# KiCad board DIP8breakout+potToUSB.kicad_pcb (continued)
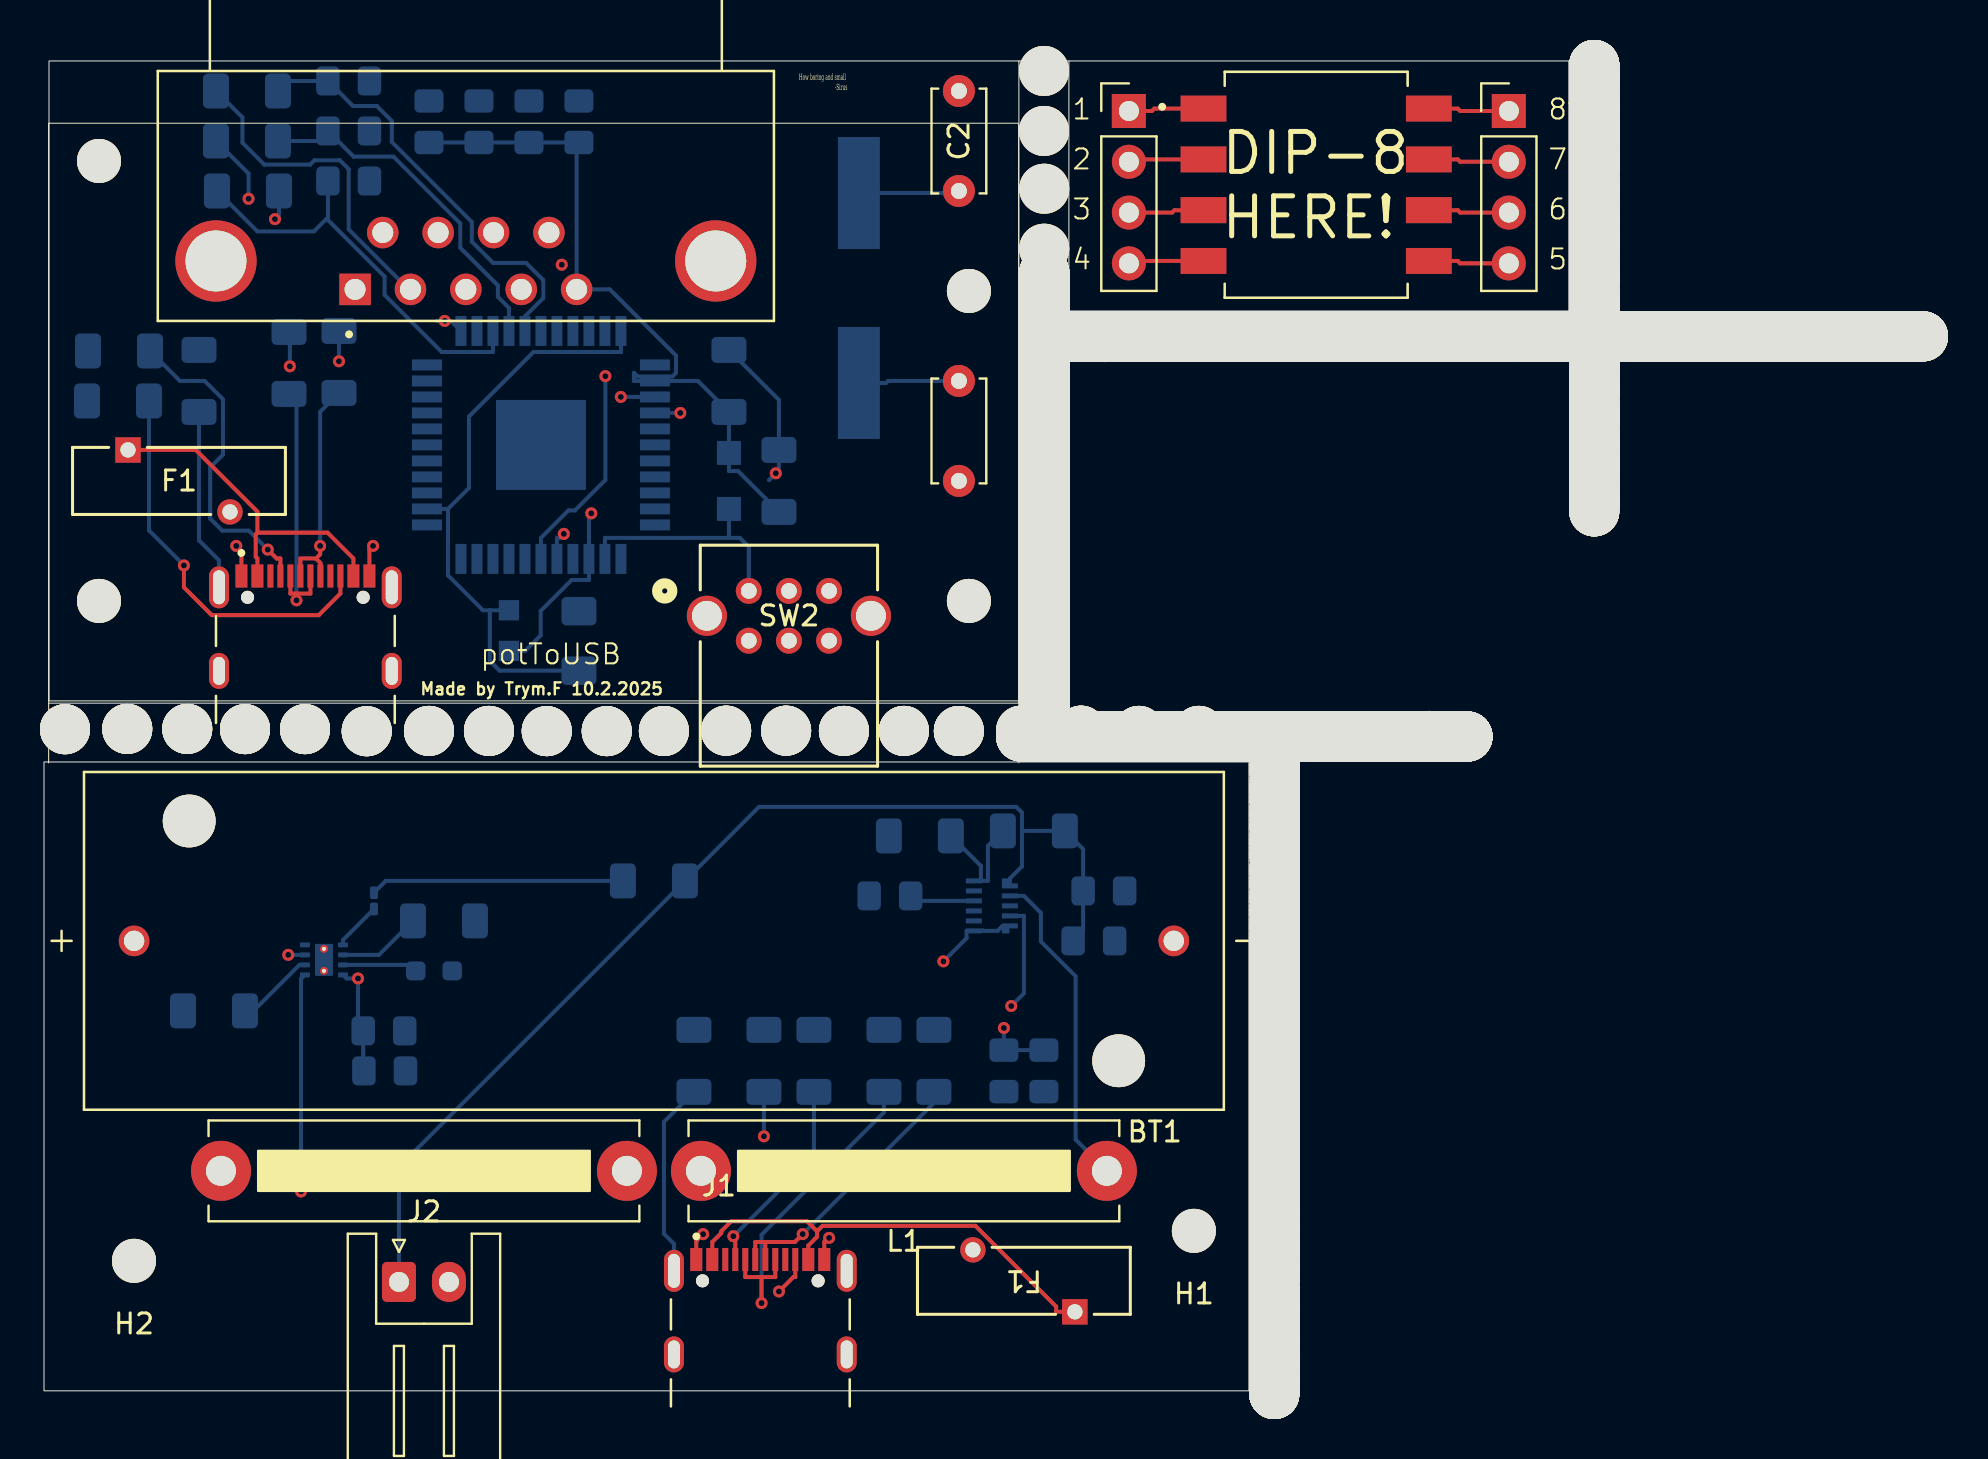
[diagram p0: board, top side]
## Placement (name value [footprint] x y rotation side) (continued)
NOREF#525  -  [unnamed]  61.52 3.86 270 top
NOREF#526  -  [unnamed]  61.55 11.67 90 top
NOREF#527  -  [unnamed]  60.72 32.72 0 top
NOREF#528  -  [unnamed]  50.02 48.67 90 top
NOREF#529  -  [unnamed]  77.52 44.84 90 top
NOREF#530  -  [unnamed]  77.48 52.73 180 top
NOREF#531  -  [unnamed]  61.52 5.06 270 top
NOREF#532  -  [unnamed]  61.55 13.43 90 top
NOREF#533  -  [unnamed]  61.52 5.26 270 top
NOREF#534  -  [unnamed]  49.06 32.72 0 top
NOREF#535  -  [unnamed]  50.02 36.75 90 top
NOREF#536  -  [unnamed]  77.52 50.68 90 top
NOREF#537  -  [unnamed]  78.68 52.73 180 top
NOREF#538  -  [unnamed]  61.55 10.01 90 top
NOREF#539  -  [unnamed]  93.56 52.73 180 top
NOREF#540  -  [unnamed]  61.52 5.68 270 top
NOREF#541  -  [unnamed]  61.55 17.51 90 top
NOREF#542  -  [unnamed]  62.88 32.72 0 top
NOREF#543  -  [unnamed]  77.52 48.34 90 top
NOREF#544  -  [unnamed]  50.02 48.01 90 top
NOREF#545  -  [unnamed]  61.55 14.63 90 top
NOREF#546  -  [unnamed]  77.52 61.28 90 top
NOREF#547  -  [unnamed]  77.52 51.88 90 top
NOREF#548  -  [unnamed]  61.52 16.74 270 top
NOREF#549  -  [unnamed]  81.1 52.73 180 top
NOREF#550  -  [unnamed]  66 52.73 180 top
NOREF#551  -  [unnamed]  50.02 55.05 90 top
NOREF#552  -  [unnamed]  61.55 29.17 90 top
NOREF#553  -  [unnamed]  90.34 52.73 180 top
NOREF#554  -  [unnamed]  61.55 30.13 90 top
NOREF#555  -  [unnamed]  61.52 4.2 270 top
NOREF#556  -  [unnamed]  50.02 40.83 90 top
NOREF#557  -  [unnamed]  77.52 58.6 90 top
NOREF#558  -  [unnamed]  90.14 52.73 180 top
NOREF#559  -  [unnamed]  77.52 64.7 90 top
NOREF#560  -  [unnamed]  50.02 45.91 90 top
NOREF#561  -  [unnamed]  61.52 11.5 270 top
NOREF#562  -  [unnamed]  50.02 51.75 90 top
NOREF#563  -  [unnamed]  72.84 52.73 180 top
NOREF#564  -  [unnamed]  50.02 35.59 90 top
NOREF#565  -  [unnamed]  63.78 52.73 180 top
NOREF#566  -  [unnamed]  61.52 21.76 270 top
NOREF#567  -  [unnamed]  77.52 47.14 90 top
NOREF#568  -  [unnamed]  77.52 54.44 90 top
NOREF#569  -  [unnamed]  54.9 32.72 0 top
NOREF#570  -  [unnamed]  53.18 52.73 180 top
NOREF#571  -  [unnamed]  61.12 52.73 180 top
NOREF#572  -  [unnamed]  61.52 10.04 270 top
NOREF#573  -  [unnamed]  50.02 40.49 90 top
NOREF#574  -  [unnamed]  61.78 52.73 180 top
NOREF#575  -  [unnamed]  81.84 52.73 180 top
NOREF#576  -  [unnamed]  50.02 36.55 90 top
NOREF#577  -  [unnamed]  50.02 47.11 90 top
NOREF#578  -  [unnamed]  88.74 52.73 180 top
NOREF#579  -  [unnamed]  76.86 52.73 180 top
NOREF#580  -  [unnamed]  68.02 32.72 0 top
NOREF#581  -  [unnamed]  79.54 52.73 180 top
NOREF#582  -  [unnamed]  61.55 21.47 90 top
NOREF#583  -  [unnamed]  77.48 52.73 180 top
NOREF#584  -  [unnamed]  90.14 52.73 180 top
NOREF#585  -  [unnamed]  77.52 58.86 90 top
NOREF#586  -  [unnamed]  66 52.73 180 top
NOREF#587  -  [unnamed]  51.12 52.73 180 top
NOREF#588  -  [unnamed]  63.98 52.73 180 top
NOREF#589  -  [unnamed]  50.02 46.65 90 top
NOREF#590  -  [unnamed]  66.16 32.72 0 top
NOREF#591  -  [unnamed]  77.48 52.73 180 top
NOREF#592  -  [unnamed]  61.52 18.34 270 top
NOREF#593  -  [unnamed]  61.52 0.04 270 top
NOREF#594  -  [unnamed]  77.52 65.64 90 top
NOREF#595  -  [unnamed]  65.14 32.72 0 top
NOREF#596  -  [unnamed]  82.3 52.73 180 top
NOREF#597  -  [unnamed]  91 52.73 180 top
NOREF#598  -  [unnamed]  61.52 4.2 270 top
NOREF#599  -  [unnamed]  77.52 49.2 90 top
NOREF#600  -  [unnamed]  77.52 46.24 90 top
NOREF#601  -  [unnamed]  50.02 50.89 90 top
NOREF#602  -  [unnamed]  69.82 52.73 180 top
NOREF#603  -  [unnamed]  66.74 52.73 180 top
NOREF#604  -  [unnamed]  61.52 17.14 270 top
NOREF#605  -  [unnamed]  61.55 22.47 90 top
NOREF#606  -  [unnamed]  50.02 40.29 90 top
NOREF#607  -  [unnamed]  50.02 34.99 90 top
NOREF#608  -  [unnamed]  61.55 14.63 90 top
NOREF#609  -  [unnamed]  61.55 21.47 90 top
NOREF#610  -  [unnamed]  61.55 25.89 90 top
NOREF#611  -  [unnamed]  61.55 14.43 90 top
NOREF#612  -  [unnamed]  61.52 3.66 270 top
NOREF#613  -  [unnamed]  50.02 38.15 90 top
NOREF#614  -  [unnamed]  50.02 42.85 90 top
NOREF#615  -  [unnamed]  61.55 16.85 90 top
NOREF#616  -  [unnamed]  77.52 45.58 90 top
NOREF#617  -  [unnamed]  77.52 66.1 90 top
NOREF#618  -  [unnamed]  50.02 51.35 90 top
NOREF#619  -  [unnamed]  77.52 60.66 90 top
NOREF#620  -  [unnamed]  59.92 32.72 0 top
NOREF#621  -  [unnamed]  50.02 36.95 90 top
NOREF#622  -  [unnamed]  77.52 45.04 90 top
NOREF#623  -  [unnamed]  55.68 52.73 180 top
NOREF#624  -  [unnamed]  50.02 51.55 90 top
NOREF#625  -  [unnamed]  61.52 8.44 270 top
NOREF#626  -  [unnamed]  72.38 52.73 180 top
NOREF#627  -  [unnamed]  77.52 58.6 90 top
NOREF#628  -  [unnamed]  73.24 52.73 180 top
NOREF#629  -  [unnamed]  77.52 59.4 90 top
NOREF#630  -  [unnamed]  77.52 50.68 90 top
NOREF#631  -  [unnamed]  77.52 51.88 90 top
NOREF#632  -  [unnamed]  61.52 8.84 270 top
NOREF#633  -  [unnamed]  61.52 19.7 270 top
NOREF#634  -  [unnamed]  50.02 36.75 90 top
NOREF#635  -  [unnamed]  81.64 52.73 180 top
NOREF#636  -  [unnamed]  77.52 54.84 90 top
NOREF#637  -  [unnamed]  61.52 3 270 top
NOREF#638  -  [unnamed]  61.52 0.24 270 top
NOREF#639  -  [unnamed]  93.56 52.73 180 top
NOREF#640  -  [unnamed]  77.52 61.28 90 top
NOREF#641  -  [unnamed]  77.52 53.44 90 top
NOREF#642  -  [unnamed]  86.06 52.73 180 top
NOREF#643  -  [unnamed]  61.55 30.53 90 top
NOREF#644  -  [unnamed]  50.02 51.09 90 top
NOREF#645  -  [unnamed]  61.52 18.8 270 top
NOREF#646  -  [unnamed]  61.55 22.47 90 top
NOREF#647  -  [unnamed]  50.02 49.87 90 top
NOREF#648  -  [unnamed]  59.42 52.73 180 top
NOREF#649  -  [unnamed]  77.52 57.7 90 top
NOREF#650  -  [unnamed]  67.4 52.73 180 top
NOREF#651  -  [unnamed]  61.52 3.26 270 top
NOREF#652  -  [unnamed]  61.55 24.69 90 top
NOREF#653  -  [unnamed]  77.52 62.88 90 top
NOREF#654  -  [unnamed]  50.02 49.41 90 top
NOREF#655  -  [unnamed]  50.02 41.69 90 top
NOREF#656  -  [unnamed]  61.55 30.53 90 top
NOREF#657  -  [unnamed]  92.9 52.73 180 top
NOREF#658  -  [unnamed]  82.5 52.73 180 top
NOREF#659  -  [unnamed]  52.72 52.73 180 top
NOREF#660  -  [unnamed]  61.55 9.81 90 top
NOREF#661  -  [unnamed]  77.52 64.04 90 top
NOREF#662  -  [unnamed]  51.12 32.72 0 top
NOREF#663  -  [unnamed]  61.52 15.66 270 top
NOREF#664  -  [unnamed]  61.55 17.71 90 top
NOREF#665  -  [unnamed]  61.55 23.53 90 top
NOREF#666  -  [unnamed]  67.4 52.73 180 top
NOREF#667  -  [unnamed]  50.02 37.41 90 top
NOREF#668  -  [unnamed]  50.02 52.95 90 top
NOREF#669  -  [unnamed]  61.55 14.63 90 top
NOREF#670  -  [unnamed]  50.02 45.25 90 top
NOREF#671  -  [unnamed]  58.02 52.73 180 top
NOREF#672  -  [unnamed]  50.02 55.71 90 top
NOREF#673  -  [unnamed]  67.2 52.73 180 top
NOREF#674  -  [unnamed]  87.46 52.73 180 top
NOREF#675  -  [unnamed]  77.52 52.28 90 top
NOREF#676  -  [unnamed]  77.52 48.34 90 top
NOREF#677  -  [unnamed]  50.02 48.67 90 top
NOREF#678  -  [unnamed]  61.52 9.84 270 top
NOREF#679  -  [unnamed]  61.52 18.54 270 top
NOREF#680  -  [unnamed]  77.52 49.2 90 top
NOREF#681  -  [unnamed]  61.55 30.87 90 top
NOREF#682  -  [unnamed]  50.02 41.99 90 top
NOREF#683  -  [unnamed]  50.02 41.23 90 top
NOREF#684  -  [unnamed]  61.52 19 270 top
NOREF#685  -  [unnamed]  77.52 57.24 90 top
NOREF#686  -  [unnamed]  66.62 32.72 0 top
NOREF#687  -  [unnamed]  53.42 32.72 0 top
NOREF#688  -  [unnamed]  86.52 52.73 180 top
NOREF#689  -  [unnamed]  61.55 27.57 90 top
NOREF#690  -  [unnamed]  61.52 6.34 270 top
NOREF#691  -  [unnamed]  52.18 52.73 180 top
NOREF#692  -  [unnamed]  71.84 52.73 180 top
NOREF#693  -  [unnamed]  82.9 52.73 180 top
NOREF#694  -  [unnamed]  77.52 61.28 90 top
NOREF#695  -  [unnamed]  50.02 38.15 90 top
NOREF#696  -  [unnamed]  61.52 7.08 270 top
NOREF#697  -  [unnamed]  92.36 52.73 180 top
NOREF#698  -  [unnamed]  61.52 7.08 270 top
NOREF#699  -  [unnamed]  77.52 53.98 90 top
NOREF#700  -  [unnamed]  91.5 52.73 180 top
NOREF#701  -  [unnamed]  68.42 52.73 180 top
NOREF#702  -  [unnamed]  77.52 61.94 90 top
NOREF#703  -  [unnamed]  77.52 48.54 90 top
NOREF#704  -  [unnamed]  61.55 27.91 90 top
NOREF#705  -  [unnamed]  77.68 52.73 180 top
NOREF#706  -  [unnamed]  77.52 56.84 90 top
NOREF#707  -  [unnamed]  69.08 52.73 180 top
NOREF#708  -  [unnamed]  66 52.73 180 top
NOREF#709  -  [unnamed]  61.55 18.61 90 top
NOREF#710  -  [unnamed]  61.55 17.25 90 top
NOREF#711  -  [unnamed]  61.52 19 270 top
NOREF#712  -  [unnamed]  61.52 7.74 270 top
NOREF#713  -  [unnamed]  58.16 52.73 180 top
NOREF#714  -  [unnamed]  50.02 48.67 90 top
NOREF#715  -  [unnamed]  57.16 52.73 180 top
NOREF#716  -  [unnamed]  59.72 32.72 0 top
NOREF#717  -  [unnamed]  77.52 45.04 90 top
NOREF#718  -  [unnamed]  57.16 52.73 180 top
NOREF#719  -  [unnamed]  50.02 33.99 90 top
NOREF#720  -  [unnamed]  61.52 16.94 270 top
NOREF#721  -  [unnamed]  60.32 32.72 0 top
NOREF#722  -  [unnamed]  50.02 43.59 90 top
NOREF#723  -  [unnamed]  61.55 12.97 90 top
NOREF#724  -  [unnamed]  77.52 47.14 90 top
NOREF#725  -  [unnamed]  50.02 53.91 90 top
NOREF#726  -  [unnamed]  77.52 51.22 90 top
NOREF#727  -  [unnamed]  61.55 21.07 90 top
NOREF#728  -  [unnamed]  85.66 52.73 180 top
NOREF#729  -  [unnamed]  64.14 32.72 0 top
NOREF#730  -  [unnamed]  61.52 5.48 270 top
NOREF#731  -  [unnamed]  50.02 50.07 90 top
NOREF#732  -  [unnamed]  50.02 52.49 90 top
NOREF#733  -  [unnamed]  61.55 9.81 90 top
NOREF#734  -  [unnamed]  66.36 32.72 0 top
NOREF#735  -  [unnamed]  61.55 31.07 90 top
NOREF#736  -  [unnamed]  66.62 32.72 0 top
NOREF#737  -  [unnamed]  77.52 51.22 90 top
NOREF#738  -  [unnamed]  63.24 52.73 180 top
NOREF#739  -  [unnamed]  59.22 52.73 180 top
NOREF#740  -  [unnamed]  50.02 36.05 90 top
NOREF#741  -  [unnamed]  61.52 12.9 270 top
NOREF#742  -  [unnamed]  61.52 12.16 270 top
NOREF#743  -  [unnamed]  80.9 52.73 180 top
NOREF#744  -  [unnamed]  71.64 52.73 180 top
NOREF#745  -  [unnamed]  61.55 19.07 90 top
NOREF#746  -  [unnamed]  61.55 12.07 90 top
NOREF#747  -  [unnamed]  69.38 32.72 0 top
NOREF#748  -  [unnamed]  50.02 47.81 90 top
NOREF#749  -  [unnamed]  77.52 49 90 top
NOREF#750  -  [unnamed]  77.52 64.04 90 top
NOREF#751  -  [unnamed]  64.68 32.72 0 top
NOREF#752  -  [unnamed]  66.16 32.72 0 top
NOREF#753  -  [unnamed]  61.55 9.61 90 top
NOREF#754  -  [unnamed]  50.02 41.69 90 top
NOREF#755  -  [unnamed]  68.22 32.72 0 top
NOREF#756  -  [unnamed]  87.26 52.73 180 top
NOREF#757  -  [unnamed]  89.2 52.73 180 top
NOREF#758  -  [unnamed]  56.76 52.73 180 top
NOREF#759  -  [unnamed]  75.26 52.73 180 top
NOREF#760  -  [unnamed]  50.02 51.89 90 top
NOREF#761  -  [unnamed]  61.52 14.72 270 top
NOREF#762  -  [unnamed]  50.02 37.95 90 top
NOREF#763  -  [unnamed]  61.52 17.8 270 top
NOREF#764  -  [unnamed]  67.56 32.72 0 top
NOREF#765  -  [unnamed]  61.52 5.06 270 top
NOREF#766  -  [unnamed]  50.02 38.15 90 top
NOREF#767  -  [unnamed]  74.1 52.73 180 top
NOREF#768  -  [unnamed]  54.9 32.72 0 top
NOREF#769  -  [unnamed]  50.02 51.09 90 top
NOREF#770  -  [unnamed]  77.52 63.34 90 top
NOREF#771  -  [unnamed]  86.06 52.73 180 top
NOREF#772  -  [unnamed]  61.52 6.34 270 top
NOREF#773  -  [unnamed]  74.6 52.73 180 top
NOREF#774  -  [unnamed]  59.22 52.73 180 top
NOREF#775  -  [unnamed]  50.02 36.75 90 top
NOREF#776  -  [unnamed]  49.06 32.72 0 top
NOREF#777  -  [unnamed]  77.52 64.7 90 top
NOREF#778  -  [unnamed]  72.04 52.73 180 top
NOREF#779  -  [unnamed]  61.52 9.84 270 top
NOREF#780  -  [unnamed]  61.52 16.32 270 top
NOREF#781  -  [unnamed]  87.26 52.73 180 top
NOREF#782  -  [unnamed]  86.06 52.73 180 top
NOREF#783  -  [unnamed]  80.04 52.73 180 top
NOREF#784  -  [unnamed]  78.14 52.73 180 top
NOREF#785  -  [unnamed]  70.98 52.73 180 top
NOREF#786  -  [unnamed]  61.55 29.67 90 top
NOREF#787  -  [unnamed]  61.55 28.97 90 top
NOREF#788  -  [unnamed]  54.08 32.72 0 top
NOREF#789  -  [unnamed]  56.96 32.72 0 top
NOREF#790  -  [unnamed]  77.52 64.04 90 top
NOREF#791  -  [unnamed]  61.55 22.87 90 top
NOREF#792  -  [unnamed]  77.52 59.8 90 top
NOREF#793  -  [unnamed]  77.52 56.3 90 top
NOREF#794  -  [unnamed]  61.55 10.47 90 top
NOREF#795  -  [unnamed]  77.52 53.44 90 top
NOREF#796  -  [unnamed]  83.3 52.73 180 top
NOREF#797  -  [unnamed]  77.52 63.34 90 top
NOREF#798  -  [unnamed]  61.55 28.97 90 top
NOREF#799  -  [unnamed]  67.36 32.72 0 top
NOREF#800  -  [unnamed]  50.02 35.19 90 top
NOREF#801  -  [unnamed]  70.52 32.72 0 top
NOREF#802  -  [unnamed]  52.02 32.72 0 top
NOREF#803  -  [unnamed]  56.1 32.72 0 top
NOREF#804  -  [unnamed]  61.52 0.04 270 top
NOREF#805  -  [unnamed]  61.55 12.57 90 top
NOREF#806  -  [unnamed]  61.55 25.63 90 top
NOREF#807  -  [unnamed]  61.52 -0.16 270 top
NOREF#808  -  [unnamed]  52.18 52.73 180 top
NOREF#809  -  [unnamed]  87.92 52.73 180 top
NOREF#810  -  [unnamed]  50.02 53.65 90 top
NOREF#811  -  [unnamed]  72.58 52.73 180 top
NOREF#812  -  [unnamed]  61.52 15.46 270 top
NOREF#813  -  [unnamed]  66 52.73 180 top
NOREF#814  -  [unnamed]  58.36 52.73 180 top
NOREF#815  -  [unnamed]  61.52 4.66 270 top
NOREF#816  -  [unnamed]  53.62 32.72 0 top
NOREF#817  -  [unnamed]  58.12 32.72 0 top
NOREF#818  -  [unnamed]  50.02 39.23 90 top
NOREF#819  -  [unnamed]  50.02 49.61 90 top
NOREF#820  -  [unnamed]  50.02 46.25 90 top
NOREF#821  -  [unnamed]  77.52 53.98 90 top
NOREF#822  -  [unnamed]  50.02 37.41 90 top
NOREF#823  -  [unnamed]  77.52 58.2 90 top
NOREF#824  -  [unnamed]  62.98 52.73 180 top
NOREF#825  -  [unnamed]  61.52 2.3 270 top
NOREF#826  -  [unnamed]  61.55 20.01 90 top
NOREF#827  -  [unnamed]  61.52 11.96 270 top
NOREF#828  -  [unnamed]  72.04 52.73 180 top
NOREF#829  -  [unnamed]  67.36 32.72 0 top
NOREF#830  -  [unnamed]  50.02 35.39 90 top
NOREF#831  -  [unnamed]  77.52 62.68 90 top
NOREF#832  -  [unnamed]  77.52 61.08 90 top
NOREF#833  -  [unnamed]  59.72 52.73 180 top
NOREF#834  -  [unnamed]  50.02 55.51 90 top
NOREF#835  -  [unnamed]  73.04 52.73 180 top
NOREF#836  -  [unnamed]  65.96 32.72 0 top
NOREF#837  -  [unnamed]  77.52 44.38 90 top
NOREF#838  -  [unnamed]  50.02 50.89 90 top
NOREF#839  -  [unnamed]  82.3 52.73 180 top
NOREF#840  -  [unnamed]  61.52 7.54 270 top
NOREF#841  -  [unnamed]  77.52 57.7 90 top
NOREF#842  -  [unnamed]  77.52 66.3 90 top
NOREF#843  -  [unnamed]  65.14 32.72 0 top
NOREF#844  -  [unnamed]  61.52 4.86 270 top
NOREF#845  -  [unnamed]  77.52 49 90 top
NOREF#846  -  [unnamed]  77.28 52.73 180 top
NOREF#847  -  [unnamed]  70.48 52.73 180 top
NOREF#848  -  [unnamed]  61.55 28.51 90 top
NOREF#849  -  [unnamed]  61.55 15.45 90 top
NOREF#850  -  [unnamed]  61.55 25.63 90 top
NOREF#851  -  [unnamed]  61.52 12.5 270 top
NOREF#852  -  [unnamed]  53.68 32.72 0 top
NOREF#853  -  [unnamed]  63.94 32.72 0 top
NOREF#854  -  [unnamed]  61.52 11.5 270 top
NOREF#855  -  [unnamed]  91.7 52.73 180 top
NOREF#856  -  [unnamed]  77.52 46.64 90 top
NOREF#857  -  [unnamed]  50.02 40.29 90 top
NOREF#858  -  [unnamed]  50.02 38.61 90 top
NOREF#859  -  [unnamed]  61.52 21.1 270 top
NOREF#860  -  [unnamed]  77.52 51.42 90 top
NOREF#861  -  [unnamed]  61.55 15.65 90 top
NOREF#862  -  [unnamed]  57.92 32.72 0 top
NOREF#863  -  [unnamed]  73.9 52.73 180 top
NOREF#864  -  [unnamed]  68.42 52.73 180 top
NOREF#865  -  [unnamed]  61.55 10.67 90 top
NOREF#866  -  [unnamed]  61.55 16.11 90 top
NOREF#867  -  [unnamed]  61.55 28.51 90 top
NOREF#868  -  [unnamed]  50.02 52.95 90 top
NOREF#869  -  [unnamed]  61.55 13.63 90 top
NOREF#870  -  [unnamed]  78.14 52.73 180 top
NOREF#871  -  [unnamed]  50.02 40.29 90 top
NOREF#872  -  [unnamed]  61.52 18.54 270 top
NOREF#873  -  [unnamed]  50.02 47.51 90 top
NOREF#874  -  [unnamed]  78.88 52.73 180 top
NOREF#875  -  [unnamed]  61.52 8.64 270 top
NOREF#876  -  [unnamed]  61.12 52.73 180 top
NOREF#877  -  [unnamed]  61.18 32.72 0 top
NOREF#878  -  [unnamed]  61.55 12.07 90 top
NOREF#879  -  [unnamed]  70.98 32.72 0 top
NOREF#880  -  [unnamed]  79.74 52.73 180 top
NOREF#881  -  [unnamed]  77.52 51.62 90 top
NOREF#882  -  [unnamed]  61.55 17.25 90 top
NOREF#883  -  [unnamed]  63.98 52.73 180 top
NOREF#884  -  [unnamed]  90.14 52.73 180 top
NOREF#885  -  [unnamed]  62.58 52.73 180 top
NOREF#886  -  [unnamed]  61.52 14.92 270 top
NOREF#887  -  [unnamed]  77.52 53.24 90 top
NOREF#888  -  [unnamed]  61.52 4.86 270 top
NOREF#889  -  [unnamed]  69.62 52.73 180 top
NOREF#890  -  [unnamed]  55.36 32.72 0 top
NOREF#891  -  [unnamed]  50.66 32.72 0 top
NOREF#892  -  [unnamed]  72.04 52.73 180 top
NOREF#893  -  [unnamed]  54.08 52.73 180 top
NOREF#894  -  [unnamed]  61.55 25.43 90 top
NOREF#895  -  [unnamed]  69.82 52.73 180 top
NOREF#896  -  [unnamed]  77.52 62.48 90 top
NOREF#897  -  [unnamed]  61.52 17.8 270 top
NOREF#898  -  [unnamed]  77.52 63.14 90 top
NOREF#899  -  [unnamed]  77.52 48.74 90 top
NOREF#900  -  [unnamed]  77.52 55.64 90 top
NOREF#901  -  [unnamed]  55.28 52.73 180 top
NOREF#902  -  [unnamed]  61.55 22.47 90 top
NOREF#903  -  [unnamed]  61.55 19.27 90 top
NOREF#904  -  [unnamed]  61.52 16.94 270 top
NOREF#905  -  [unnamed]  54.28 32.72 0 top
NOREF#906  -  [unnamed]  50.02 43.05 90 top
NOREF#907  -  [unnamed]  54.94 52.73 180 top
NOREF#908  -  [unnamed]  56.3 32.72 0 top
NOREF#909  -  [unnamed]  61.55 31.07 90 top
NOREF#910  -  [unnamed]  78.34 52.73 180 top
NOREF#911  -  [unnamed]  56.96 32.72 0 top
NOREF#912  -  [unnamed]  83.1 52.73 180 top
NOREF#913  -  [unnamed]  61.92 32.72 0 top
NOREF#914  -  [unnamed]  52.22 32.72 0 top
NOREF#915  -  [unnamed]  61.52 7.74 270 top
NOREF#916  -  [unnamed]  77.52 49.82 90 top
NOREF#917  -  [unnamed]  61.52 19.7 270 top
NOREF#918  -  [unnamed]  61.55 21.47 90 top
NOREF#919  -  [unnamed]  61.55 28.77 90 top
NOREF#920  -  [unnamed]  61.55 19.81 90 top
NOREF#921  -  [unnamed]  71.84 52.73 180 top
NOREF#922  -  [unnamed]  77.52 61.48 90 top
NOREF#923  -  [unnamed]  56.14 52.73 180 top
NOREF#924  -  [unnamed]  50.02 34.85 90 top
NOREF#925  -  [unnamed]  77.52 58.86 90 top
NOREF#926  -  [unnamed]  61.52 13.36 270 top
NOREF#927  -  [unnamed]  77.52 45.78 90 top
NOREF#928  -  [unnamed]  61.55 13.43 90 top
NOREF#929  -  [unnamed]  70.68 52.73 180 top
NOREF#930  -  [unnamed]  57.82 52.73 180 top
NOREF#931  -  [unnamed]  50.02 35.39 90 top
NOREF#932  -  [unnamed]  58.36 52.73 180 top
NOREF#933  -  [unnamed]  50.02 52.75 90 top
NOREF#934  -  [unnamed]  77.52 51.88 90 top
NOREF#935  -  [unnamed]  61.52 15.66 270 top
NOREF#936  -  [unnamed]  71.64 52.73 180 top
NOREF#937  -  [unnamed]  53.22 32.72 0 top
NOREF#938  -  [unnamed]  62.58 32.72 0 top
NOREF#939  -  [unnamed]  65.54 52.73 180 top
NOREF#940  -  [unnamed]  61.52 9.84 270 top
NOREF#941  -  [unnamed]  61.55 26.71 90 top
NOREF#942  -  [unnamed]  50.02 36.75 90 top
NOREF#943  -  [unnamed]  61.52 9.1 270 top
NOREF#944  -  [unnamed]  77.52 51.42 90 top
NOREF#945  -  [unnamed]  50.02 50.89 90 top
NOREF#946  -  [unnamed]  60.52 32.72 0 top
NOREF#947  -  [unnamed]  50.02 49.67 90 top
NOREF#948  -  [unnamed]  77.52 48.54 90 top
NOREF#949  -  [unnamed]  68.72 32.72 0 top
NOREF#950  -  [unnamed]  61.55 24.89 90 top
NOREF#951  -  [unnamed]  55.14 52.73 180 top
NOREF#952  -  [unnamed]  61.55 10.47 90 top
NOREF#953  -  [unnamed]  66 52.73 180 top
NOREF#954  -  [unnamed]  61.55 14.63 90 top
NOREF#955  -  [unnamed]  61.52 13.56 270 top
NOREF#956  -  [unnamed]  92.9 52.73 180 top
NOREF#957  -  [unnamed]  77.52 52.78 90 top
NOREF#958  -  [unnamed]  50.02 33.79 90 top
NOREF#959  -  [unnamed]  63.74 32.72 0 top
NOREF#960  -  [unnamed]  61.52 7.08 270 top
NOREF#961  -  [unnamed]  61.52 17.6 270 top
NOREF#962  -  [unnamed]  61.52 7.74 270 top
NOREF#963  -  [unnamed]  50.02 40.49 90 top
NOREF#964  -  [unnamed]  52.88 32.72 0 top
NOREF#965  -  [unnamed]  57.86 32.72 0 top
NOREF#966  -  [unnamed]  61.52 16.74 270 top
NOREF#967  -  [unnamed]  72.3 52.73 180 top
NOREF#968  -  [unnamed]  84.96 52.73 180 top
NOREF#969  -  [unnamed]  61.52 7.94 270 top
NOREF#970  -  [unnamed]  61.52 1.9 270 top
NOREF#971  -  [unnamed]  59.06 32.72 0 top
NOREF#972  -  [unnamed]  60.72 32.72 0 top
NOREF#973  -  [unnamed]  77.52 61.08 90 top
NOREF#974  -  [unnamed]  61.52 17.14 270 top
NOREF#975  -  [unnamed]  77.88 52.73 180 top
NOREF#976  -  [unnamed]  77.52 52.08 90 top
NOREF#977  -  [unnamed]  61.55 18.01 90 top
NOREF#978  -  [unnamed]  55.48 52.73 180 top
NOREF#979  -  [unnamed]  67.8 52.73 180 top
NOREF#980  -  [unnamed]  61.52 19.9 270 top
NOREF#981  -  [unnamed]  77.52 56.3 90 top
NOREF#982  -  [unnamed]  61.52 8.64 270 top
NOREF#983  -  [unnamed]  50.02 37.61 90 top
NOREF#984  -  [unnamed]  70.12 32.72 0 top
NOREF#985  -  [unnamed]  61.55 11.41 90 top
NOREF#986  -  [unnamed]  72.38 52.73 180 top
NOREF#987  -  [unnamed]  50.02 38.61 90 top
NOREF#988  -  [unnamed]  64.88 32.72 0 top
NOREF#989  -  [unnamed]  77.52 45.24 90 top
NOREF#990  -  [unnamed]  52.18 52.73 180 top
NOREF#991  -  [unnamed]  56.96 32.72 0 top
NOREF#992  -  [unnamed]  87.92 52.73 180 top
NOREF#993  -  [unnamed]  68.42 32.72 0 top
NOREF#994  -  [unnamed]  80.9 52.73 180 top
NOREF#995  -  [unnamed]  72.38 52.73 180 top
NOREF#996  -  [unnamed]  61.52 6.54 270 top
NOREF#997  -  [unnamed]  67.56 32.72 0 top
NOREF#998  -  [unnamed]  50.02 52.49 90 top
NOREF#999  -  [unnamed]  77.52 55.64 90 top
NOREF#1000  -  [unnamed]  61.55 31.53 90 top
NOREF#1001  -  [unnamed]  61.55 25.23 90 top
NOREF#1002  -  [unnamed]  67.56 32.72 0 top
NOREF#1003  -  [unnamed]  57.46 32.72 0 top
NOREF#1004  -  [unnamed]  50.02 52.09 90 top
NOREF#1005  -  [unnamed]  61.55 21.27 90 top
NOREF#1006  -  [unnamed]  50.02 38.61 90 top
NOREF#1007  -  [unnamed]  61.52 17.6 270 top
NOREF#1008  -  [unnamed]  89.2 52.73 180 top
NOREF#1009  -  [unnamed]  77.52 51.22 90 top
NOREF#1010  -  [unnamed]  66.82 32.72 0 top
NOREF#1011  -  [unnamed]  77.52 58.4 90 top
NOREF#1012  -  [unnamed]  61.55 9.81 90 top
NOREF#1013  -  [unnamed]  50.02 35.39 90 top
NOREF#1014  -  [unnamed]  54.9 32.72 0 top
NOREF#1015  -  [unnamed]  50.02 49.01 90 top
NOREF#1016  -  [unnamed]  61.55 23.83 90 top
NOREF#1017  -  [unnamed]  54.28 32.72 0 top
NOREF#1018  -  [unnamed]  50.02 37.41 90 top
NOREF#1019  -  [unnamed]  66 52.73 180 top
NOREF#1020  -  [unnamed]  57.62 52.73 180 top
NOREF#1021  -  [unnamed]  77.52 57.5 90 top
NOREF#1022  -  [unnamed]  63.74 32.72 0 top
NOREF#1023  -  [unnamed]  61.52 21.56 270 top
NOREF#1024  -  [unnamed]  50.02 43.59 90 top
NOREF#1025  -  [unnamed]  54.08 52.73 180 top
NOREF#1026  -  [unnamed]  64.84 52.73 180 top
NOREF#1027  -  [unnamed]  57.86 32.72 0 top
NOREF#1028  -  [unnamed]  70.32 32.72 0 top
NOREF#1029  -  [unnamed]  61.18 32.72 0 top
NOREF#1030  -  [unnamed]  61.52 9.1 270 top
NOREF#1031  -  [unnamed]  71.64 52.73 180 top
NOREF#1032  -  [unnamed]  77.52 45.04 90 top
NOREF#1033  -  [unnamed]  56.14 52.73 180 top
NOREF#1034  -  [unnamed]  73.24 52.73 180 top
NOREF#1035  -  [unnamed]  61.72 32.72 0 top
NOREF#1036  -  [unnamed]  61.55 18.67 90 top
NOREF#1037  -  [unnamed]  70.98 52.73 180 top
NOREF#1038  -  [unnamed]  72.04 52.73 180 top
NOREF#1039  -  [unnamed]  50.02 52.29 90 top
NOREF#1040  -  [unnamed]  77.52 57.24 90 top
NOREF#1041  -  [unnamed]  71.64 52.73 180 top
NOREF#1042  -  [unnamed]  61.55 31.07 90 top
NOREF#1043  -  [unnamed]  58.86 32.72 0 top
NOREF#1044  -  [unnamed]  58.86 32.72 0 top
NOREF#1045  -  [unnamed]  61.52 17.6 270 top
NOREF#1046  -  [unnamed]  50.02 36.75 90 top
NOREF#1047  -  [unnamed]  53.22 32.72 0 top
NOREF#1048  -  [unnamed]  60.92 52.73 180 top
NOREF#1049  -  [unnamed]  61.55 15.65 90 top
NOREF#1050  -  [unnamed]  60.98 32.72 0 top
NOREF#1051  -  [unnamed]  54.54 52.73 180 top
NOREF#1052  -  [unnamed]  54.08 32.72 0 top
NOREF#1053  -  [unnamed]  75.8 52.73 180 top
NOREF#1054  -  [unnamed]  80.7 52.73 180 top
NOREF#1055  -  [unnamed]  66.54 52.73 180 top
NOREF#1056  -  [unnamed]  61.52 13.86 270 top
NOREF#1057  -  [unnamed]  57.62 52.73 180 top
NOREF#1058  -  [unnamed]  60.18 52.73 180 top
NOREF#1059  -  [unnamed]  56.34 52.73 180 top
NOREF#1060  -  [unnamed]  80.04 52.73 180 top
NOREF#1061  -  [unnamed]  50.02 45.05 90 top
NOREF#1062  -  [unnamed]  91.7 52.73 180 top
NOREF#1063  -  [unnamed]  61.55 25.89 90 top
NOREF#1064  -  [unnamed]  61.55 14.17 90 top
NOREF#1065  -  [unnamed]  77.52 46.64 90 top
NOREF#1066  -  [unnamed]  79.74 52.73 180 top
NOREF#1067  -  [unnamed]  50.02 55.51 90 top
NOREF#1068  -  [unnamed]  61.52 20.16 270 top
NOREF#1069  -  [unnamed]  77.52 57.5 90 top
NOREF#1070  -  [unnamed]  58.82 52.73 180 top
NOREF#1071  -  [unnamed]  77.52 52.78 90 top
NOREF#1072  -  [unnamed]  61.55 26.91 90 top
NOREF#1073  -  [unnamed]  50.02 39.63 90 top
NOREF#1074  -  [unnamed]  61.52 3.66 270 top
NOREF#1075  -  [unnamed]  91.5 52.73 180 top
NOREF#1076  -  [unnamed]  50.02 53.85 90 top
NOREF#1077  -  [unnamed]  70.28 52.73 180 top
NOREF#1078  -  [unnamed]  80.9 52.73 180 top
NOREF#1079  -  [unnamed]  61.55 24.89 90 top
NOREF#1080  -  [unnamed]  61.52 18.34 270 top
NOREF#1081  -  [unnamed]  67.4 52.73 180 top
NOREF#1082  -  [unnamed]  69.12 32.72 0 top
NOREF#1083  -  [unnamed]  61.52 14.06 270 top
NOREF#1084  -  [unnamed]  62.18 32.72 0 top
NOREF#1085  -  [unnamed]  61.55 22.67 90 top
NOREF#1086  -  [unnamed]  61.52 13.86 270 top
NOREF#1087  -  [unnamed]  90.6 52.73 180 top
NOREF#1088  -  [unnamed]  71.84 52.73 180 top